# KiCad board MiniCamel_V1.01.kicad_pcb (continued)
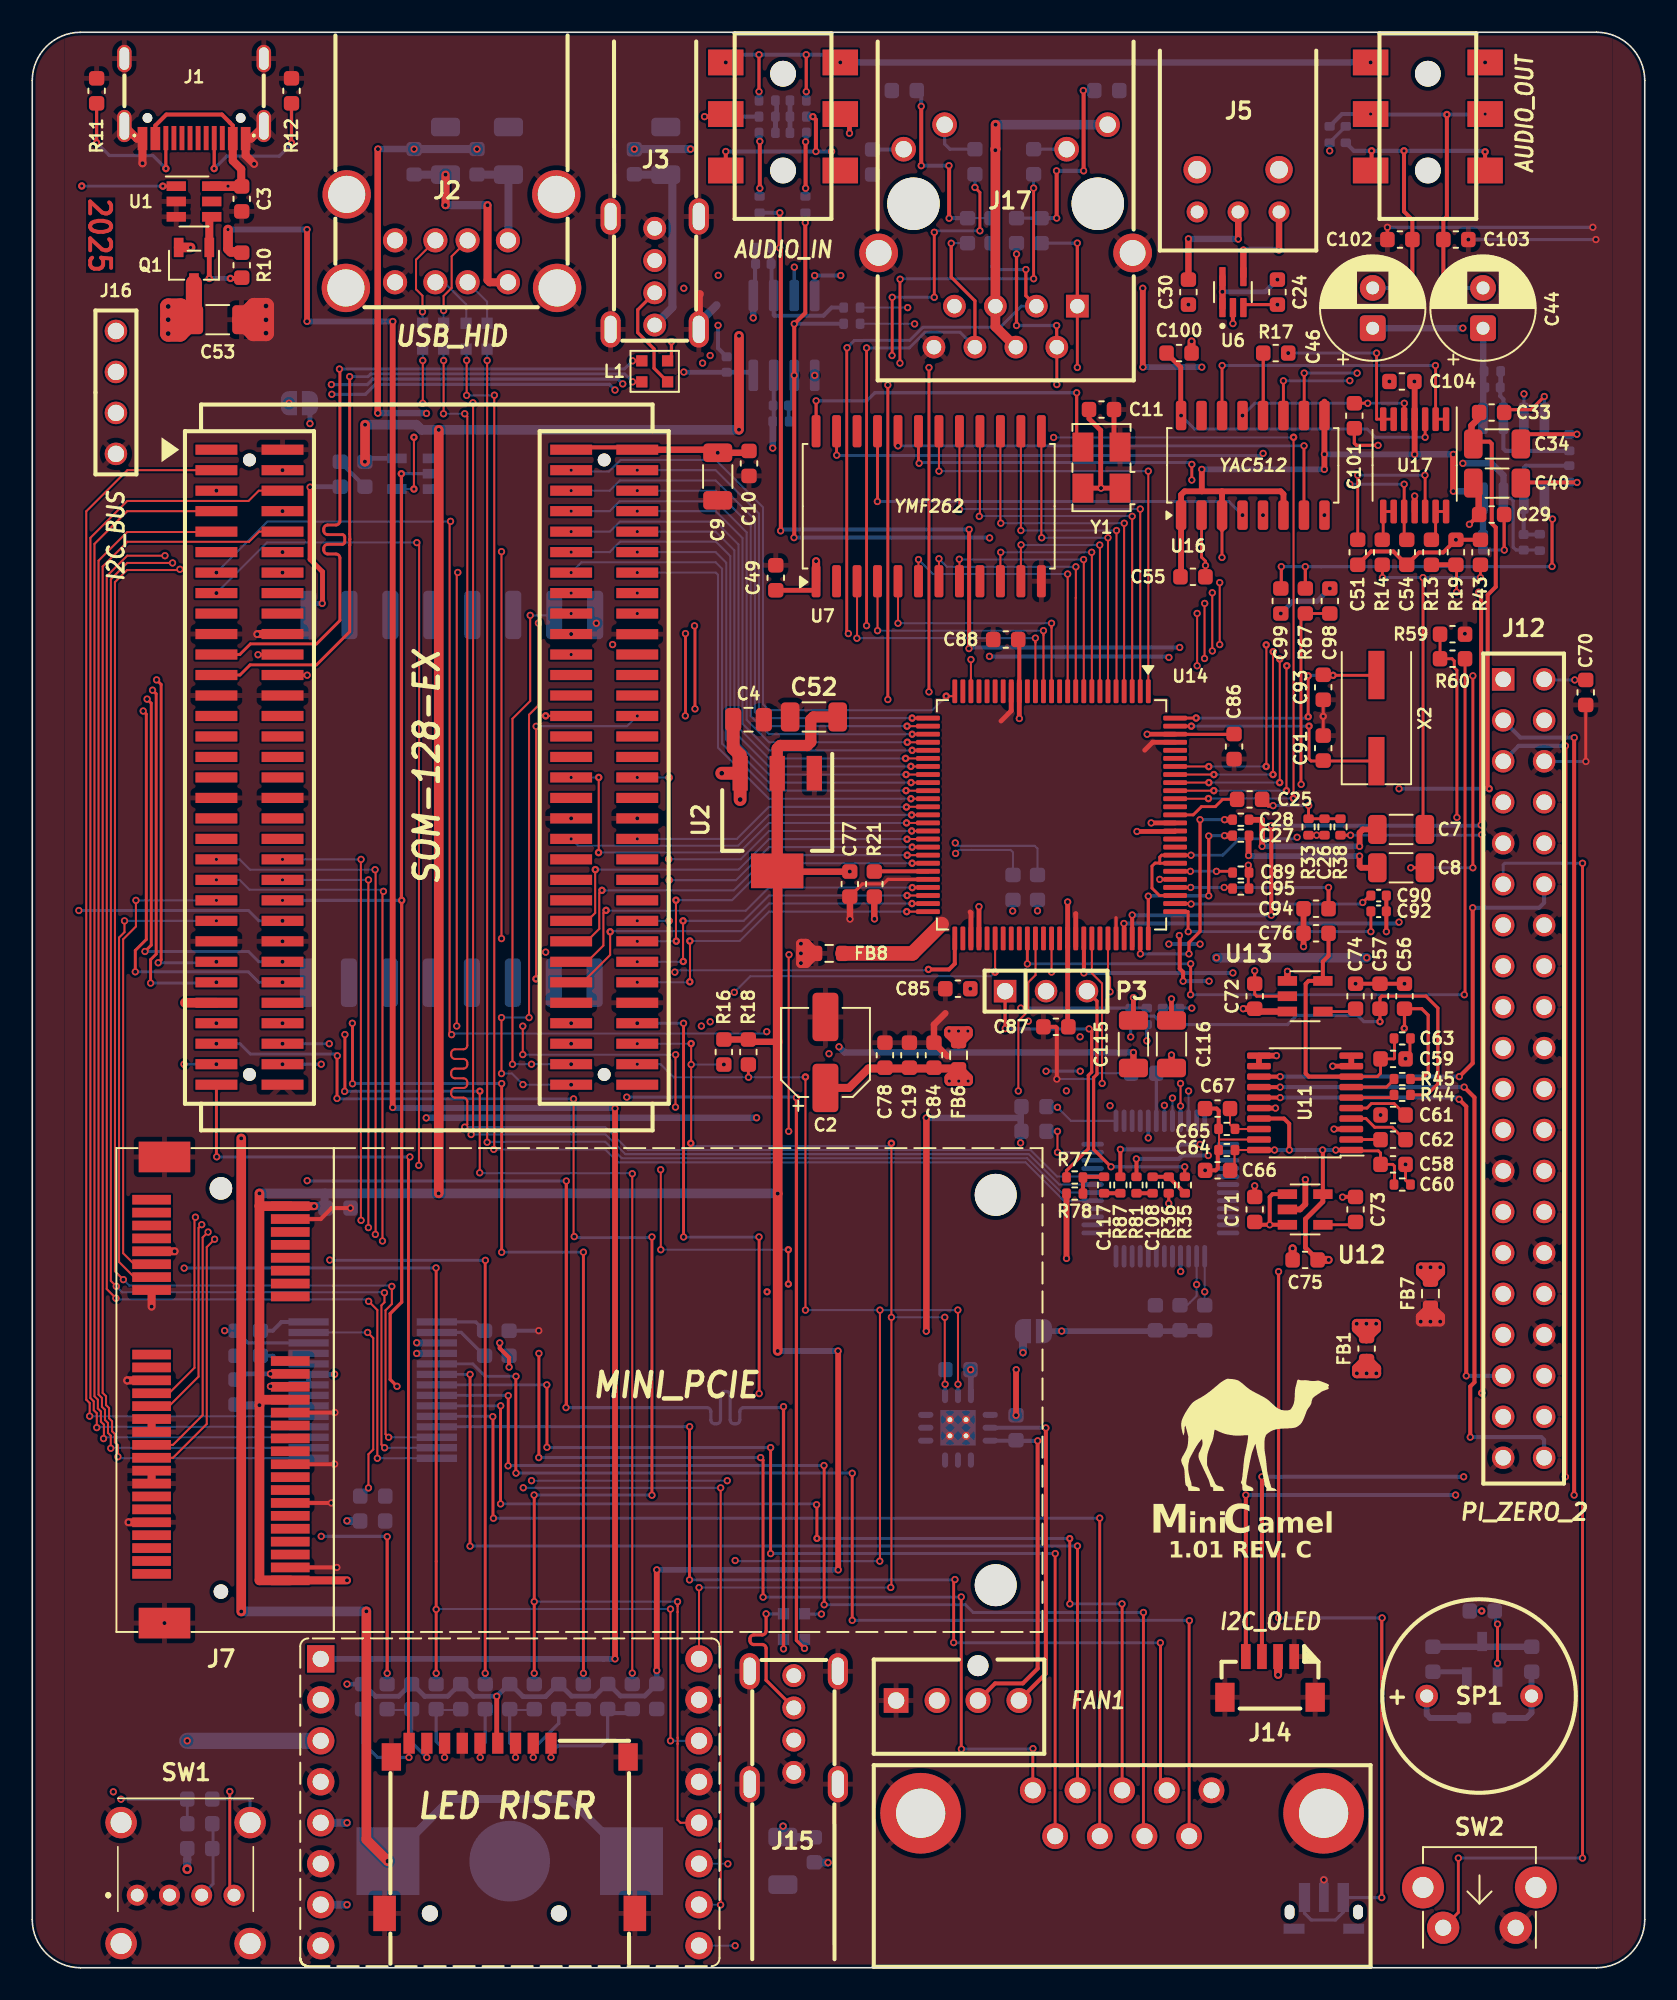
[diagram p0: board, top side]
## Routing (per net, layer and track width the routed paths; a pad name or vN(x,y) marks a point on that pad's centre or on a via; arc(x,y) is an arc through that point) (continued)
  Bottom w0.127: v1(5.72,64.91) v2(11.42,64.91)
/PE0_CLK-: length 29.2
  Top w0.127: v1(6.43,66.18) 6.43,64.56 5.64,63.77 5.64,44.3 6.32,43.62 J7.11
  Bottom w0.127: v1(6.43,66.18) v2(11.42,66.18)
/PE0_RX+: length 58.8
  Top w0.127: v1(21.78,66.74) 21.72,66.68 v1(21.72,45.06) ; v1(11.31,45.17) 10.82,44.68 10.82,33.71 8.73,31.62 J7.33
  In1.Cu w0.127: v1(21.72,45.06) 21.66,45 11.48,45 v1(11.31,45.17)
  Bottom w0.127: v2(11.42,67.45) 12.86,67.45 13.47,66.84 21.68,66.84 v1(21.78,66.74)
/PE0_RX-: length 58.6
  Top w0.127: v1(21.28,45.47) 21.29,45.48 21.29,68.05 v1(21.26,68.08) ; v1(10.9,45.61) 10.57,45.28 10.57,34.26 8.73,32.42 J7.31
  In1.Cu w0.127: v1(21.28,45.47) 21.24,45.43 11.67,45.43 11.49,45.61 v1(10.9,45.61)
  Bottom w0.127: v1(21.26,68.08) 13.5,68.08 12.86,68.72 v2(11.42,68.72)
/PE0_TX+: length 50.5
  Top w0.127: J7.25 8.48,34.82 10.31,36.65 10.31,45.88 v1(10.51,46.07) ; v1(20.84,45.89) 20.84,67.44 v1(20.85,67.45)
  In1.Cu w0.127: 10.52,46.06 11.08,46.06 11.25,45.89 v1(20.84,45.89)
  Bottom w0.127: v1(20.85,67.45) v2(15.52,67.45)
/PE0_TX-: length 50.3
  Top w0.127: v1(20.39,46.34) 20.38,46.35 20.38,68.71 v1(20.39,68.72) ; v1(10.12,46.53) 10.06,46.47 10.06,37.2 8.48,35.62 J7.23
  In1.Cu w0.127: v1(20.39,46.34) 20.36,46.37 10.84,46.37 10.69,46.52 10.14,46.52
  Bottom w0.127: v1(20.39,68.72) v2(15.52,68.72)
/PI_SCL: length 79.5
  Top w0.25: v1(95.08,75.76) v1(95.08,30.44) ; v1(76.26,30.44) J14.3
  In1.Cu w0.25: v1(88.77,30.44) v1(95.08,30.44)
  Bottom w0.25: v1(95.08,75.76) 92.18,75.76 J12.5 ; v1(76.26,30.44) 88.69,30.44 88.69,30.44
/PI_SDA: length 82.2
  Top w0.25: v1(95.62,29.31) 95.62,76.26 v1(95.63,76.27) ; v1(75.26,29.31) J14.4
  In1.Cu w0.25: v1(95.62,29.31) v1(88.27,29.31)
  Bottom w0.25: v1(95.63,76.27) 92.29,76.27 J12.3 ; v1(88.27,29.31) v1(75.26,29.31)
/PWM1: length 21
  Top w0.25: v1(62.86,33.47) 62.86,18.24 P2.4
  Bottom w0.25: U3.5 62.85,33.48 v1(62.86,33.47)
/PWR_SW: length 121.5
  Top w0.18: v1(12.25,10.93) 12.25,4.76 SW1.4 ; U1.1 v2(8.1,110.46)
  In1.Cu w0.18: v1(12.25,10.93) 12.23,10.91 5.7,10.91 5.69,10.92 5.31,10.92 5.3,10.91 v1(5.03,10.91)
  In2.Cu w0.18: v1(5.03,10.91) 5.03,11.49 5.19,11.65 5.19,13.12 4.55,13.76 3.5,13.76 2.21,15.05 2.21,65.3 2.21,65.3 2.21,109.61 v2(3.07,110.47)
  Bottom w0.18: v2(8.1,110.46) 3.08,110.46 v2(3.07,110.47)
/RI1: length 81.6
  Top w0.127: v1(4,33.49) 4,33.49 4,34.38 3.81,34.57 3.81,35.12 3.6,35.32 3.6,88.65 5.89,90.94 13.41,90.94 14.05,91.58 P1.A6
  Bottom w0.127: v1(4,33.49) 4.05,33.54 U5.18
/RS_CTS1: length 70.9
  Top w0.18: v1(49.11,22.51) 49.11,31.13 v1(49.1,31.14) ; J8.8 68.91,8.22 v1(68.91,22.03) ; v1(29.52,35.47) 29.52,31.13 v1(29.51,31.12)
  Bottom w0.18: U5.8 29.5,35.49 v1(29.52,35.47) ; v1(49.11,22.51) 57.87,22.51 58.35,22.03 v1(68.91,22.03) ; v1(29.51,31.12) 29.53,31.14 v1(49.1,31.14)
/RS_DCD1: length 66.5
  Top w0.18: v1(31.41,31.63) 31.42,31.64 v1(31.42,38.09) ; v1(57.62,13.56) 57.61,13.57 v1(57.61,22.99) ; v1(45.32,22.98) 45.32,31.48 v1(45.17,31.63) ; J8.1 62.05,13.58 v1(62.06,13.59)
  In1.Cu w0.18: v1(31.42,38.09) v1(23.84,38.09)
  Bottom w0.18: v1(62.06,13.59) 62.03,13.56 v1(57.62,13.56) ; v1(45.32,22.98) 57.6,22.98 v1(57.61,22.99) ; v1(45.17,31.63) v1(31.41,31.63)
  Bottom w0.36: v1(23.84,38.09) U5.4
/RS_DSR1: length 66.3
  Top w0.18: v1(31.92,32.27) 31.92,36.13 v1(31.91,36.14) ; v1(63.44,25.68) 63.44,25.67 J8.6 ; v1(45.79,25.68) v1(45.79,32.25)
  Bottom w0.18: v1(31.92,32.27) 31.94,32.25 v1(45.79,32.25) ; v1(45.79,25.68) v1(63.44,25.68) ; v1(31.91,36.14) U5.7
/RS_DTR1: length 67.7
  Top w0.18: v1(57.14,20.16) 57.14,23.99 v1(57.22,24.07) ; J8.4 69.97,11.39 69.97,20.14 v1(69.96,20.15) ; v1(40.76,24.05) 40.76,33.54 v1(40.77,33.55)
  Bottom w0.18: v1(40.77,33.55) 25.1,33.55 U5.11 ; v1(69.96,20.15) 57.15,20.15 v1(57.14,20.16) ; v1(57.22,24.07) 57.2,24.05 v1(40.76,24.05)
/RS_RI1: length 75.5
  Top w0.18: v1(30,36.67) 29.99,36.66 29.99,30.68 v1(30,30.67) ; 71.75,8.16 71.75,21.51 v1(71.76,21.52) ; v1(50.85,21.54) v1(50.85,30.66)
  Bottom w0.18: v1(50.85,21.54) 71.74,21.54 v1(71.76,21.52) ; U5.5 27.32,37.44 28.09,36.67 v1(30,36.67) ; v1(50.85,30.66) 50.84,30.67 v1(30,30.67)
/RS_RTS1: length 67.1
  Top w0.18: v1(28.6,27.87) 28.57,27.9 28.57,34.16 v1(28.56,34.17) ; J8.7 66.2,8.16 v1(66.2,27.88)
  Bottom w0.18: v1(28.6,27.87) 66.19,27.87 v1(66.2,27.88) ; U5.10 28.54,34.19 v1(28.56,34.17)
/RS_RX1: length 65.5
  Top w0.18: v1(27.15,26.14) v1(27.15,36.79) ; v1(64.82,26.15) J8.2
  Bottom w0.18: v1(64.82,26.15) 27.16,26.15 v1(27.15,26.14) ; v1(27.15,36.79) U5.6
/RS_TX1: length 66.3
  Top w0.18: v1(64.35,22.56) 64.34,22.57 v3(64.34,26.61) ; v1(29.05,34.84) 29.04,34.83 v1(29.04,28.76) ; v1(48.64,28.71) 48.66,28.69 v3(48.66,26.62) ; v1(67.58,22.56) 67.59,22.55 J8.3
  Bottom w0.18: v1(29.04,28.76) 48.63,28.76 48.64,28.75 v1(48.64,28.71) ; v1(64.35,22.56) v1(67.58,22.56) ; v1(29.05,34.84) U5.9 ; v3(48.66,26.62) 64.33,26.62 v3(64.34,26.61)
/RST_SW: length 4.7
  Bottom w0.18: SW1.3 11.22,5.2 11.22,8.93
/RSTDRV: length 88.5
  Top w0.127: v2(72.94,72.49) 72.93,72.48 U14.90 ; v2(23.67,94.89) v2(23.67,91.68) ; v2(78.21,72.5) 78.22,72.51 v2(78.22,94.89)
  In1.Cu w0.127: v2(23.67,94.89) 23.68,94.88 v1(63.34,94.88)
  Bottom w0.127: U8.4 v2(23.67,91.68) ; v2(72.94,72.49) 72.95,72.5 v2(78.21,72.5) ; 78.21,94.88 v1(63.34,94.88)
/RTS1: length 84.7
  Top w0.127: v1(21.85,32.24) 21.65,32.43 21.65,41.07 21.84,41.26 v1(21.84,41.85) ; v1(8.7,87.1) 5.89,87.1 4.87,86.08 4.87,42.58 v1(5.21,42.25)
  In2.Cu w0.127: v1(8.7,87.1) 8.7,90.71 9.57,91.58 v1(11.42,91.58)
  Bottom w0.127: v1(21.84,41.85) 21.81,41.88 5.58,41.88 v1(5.21,42.25) ; U5.13 v1(21.85,32.24)
/RX1: length 76.9
  Top w0.127: v1(4.42,32.81) 4.44,32.83 4.44,33.67 4.26,33.86 4.26,34.49 4.07,34.68 4.07,35.22 3.86,35.43 3.86,88.28 5.89,90.31 P1.A7
  Bottom w0.127: U5.17 4.5,32.89 v1(4.42,32.81)
/RX2: length 102.6
  Top w0.127: v1(42.69,29.75) 42.69,3.9 v1(42.69,3.9) ; v1(31.39,83.37) 31.39,78.27 30.81,77.69 30.81,77.16 30.81,77.15 30.81,76.78 30.81,76.78 v1(30.81,58.91) ; v1(29.1,58.91) v1(29.1,55.44)
  In1.Cu w0.127: v1(34.98,83.36) 31.4,83.36 v1(31.39,83.37)
  In2.Cu w0.127: v1(30.43,54.76) 30.45,54.74 v1(30.45,29.76)
  Bottom w0.127: v1(30.45,29.76) 30.46,29.75 v1(42.69,29.75) ; v1(34.98,83.36) 34.91,83.43 ; v1(42.69,3.9) 42.68,3.91 J9.15 ; v1(30.81,58.91) v1(29.1,58.91) ; v1(29.1,55.44) 29.75,55.44 v1(30.43,54.76) 30.44,54.75 v1(33.42,54.75)
/SD_CD: length 59
  Top w0.127: v1(23.36,13.04) 23.36,13.91 J13.9 23.39,13.94
  Top w0.18: 23.39,13.94 23.33,14 23.33,50.18 v1(23.42,50.27) ; v1(11.44,50.28) 11.42,50.3 P1.A63
  Bottom w0.18: v1(11.44,50.28) 11.45,50.27 v1(23.42,50.27)
  Bottom w0.2: v1(23.36,13.04) 21.41,13.04 20.49,13.96 20.49,15.97 20.48,15.98
/SD_CLK: length 52.2
  Top w0.127: 28.09,43.85 v1(28.1,43.86)
  Top w0.18: v1(28.09,18.26) 28.09,43.85
  In2.Cu w0.18: v1(18.45,43.88) 18.42,43.91 v1(18.42,57.29)
  Bottom w0.18: v1(18.42,57.29) v1(15.52,57.29) ; 28.09,17.63 v1(28.09,18.26) ; v1(18.45,43.88) 18.47,43.86 v1(28.1,43.86)
/SD_CMD: length 97.4
  Top w0.127: 31.13,29.3 v1(31.12,29.31) ; v1(33.61,45.33) 33.57,45.37 v1(33.57,53.87) ; v1(40.02,22.7) 40.02,22.43 40.02,22.42 40.02,22.05 40.02,22.05 40.02,14.26 40.02,14.25 40.02,13.88 40.02,13.88 40.02,9.17 40.2,8.99 J9.13
  Top w0.18: v1(31.13,18.26) v1(31.13,22.7) 31.13,29.3 ; v1(18.9,53.9) 18.9,56.52 v1(18.92,56.54) ; v1(38.43,45.31) v1(38.43,29.3)
  Bottom w0.127: v1(40.02,22.7) v1(31.13,22.7) ; 38.42,29.31 v1(38.43,29.3)
  Bottom w0.18: v1(11.42,57.29) 12.89,57.29 13.53,56.65 18.81,56.65 v1(18.92,56.54) ; v1(33.57,53.87) 18.93,53.87 v1(18.9,53.9) ; v1(31.12,29.31) 38.42,29.31 ; v1(33.61,45.33) 33.68,45.27 38.39,45.27 v1(38.43,45.31) ; 31.13,17.63 v1(31.13,18.26)
/SD_DAT0: length 80.5
  Top w0.127: v1(39.58,22.24) v1(39.58,14.07) ; 25.05,43.38 v1(25.04,43.39)
  Top w0.18: v1(25.05,18.26) v1(25.05,22.22) 25.05,43.38
  In2.Cu w0.18: v1(9.42,43.38) 9.41,43.39 v1(9.41,56.02)
  Bottom w0.127: J9.11 39.83,14.07 v1(39.58,14.07) ; v1(39.58,22.24) 25.07,22.24 v1(25.05,22.22)
  Bottom w0.18: 25.05,17.63 v1(25.05,18.26) ; v1(11.42,56.02) v1(9.41,56.02) ; v1(9.42,43.38) 9.43,43.39 v1(25.04,43.39)
/SD_DAT1: length 44.9
  Top w0.2: v1(22.01,18.26) v1(22.01,26.73)
  In2.Cu w0.2: v1(17.92,56.02) 17.96,55.98 17.96,26.79 v1(17.92,26.75)
  Bottom w0.2: 22.01,17.63 v1(22.01,18.26) ; v1(17.92,26.75) 21.99,26.75 v1(22.01,26.73) ; v1(17.92,56.02) v1(15.52,56.02)
/SD_DAT2: length 66.3
  Top w0.127: v3(27.76,54.35) 27.75,54.34 v1(27.75,49.29) ; v1(37.21,49.23) v1(37.21,18.27)
  Top w0.18: v1(19.39,57.86) 19.39,54.36
  In1.Cu w0.18: v1(11.42,58.56) 12.89,58.56 13.58,57.87 19.38,57.87
  Bottom w0.127: 37.21,17.64 37.21,18.27 v1(37.21,18.27) ; v1(37.21,49.23) 37.18,49.26 27.78,49.26 v1(27.75,49.29)
  Bottom w0.18: v3(27.76,54.35) 27.75,54.34 v1(19.37,54.34)
/SD_DAT3: length 59.6
  Top w0.18: v1(29.11,54.82) v1(29.11,44.36) ; v1(19.85,58.56) 19.86,58.55 v1(19.86,54.81) ; v1(34.18,18.26) v1(34.18,44.37)
  In1.Cu w0.18: v1(19.85,58.56) v1(15.52,58.56)
  Bottom w0.127: 34.17,17.63 34.17,18.25 v1(34.18,18.26) ; 29.13,44.37 29.12,44.36 v1(29.11,44.36)
  Bottom w0.18: v1(19.86,54.81) 19.87,54.82 v1(29.11,54.82) ; 29.13,44.37 v1(34.18,44.37)
/SPDIF_OUT: length 52
  Top w0.25: 65.21,63.32 65.22,63.31 v1(65.22,61.68) ; 74.46,102.79 v1(74.46,101.94)
  In2.Cu w0.25: v1(74.46,61.68) v1(74.46,101.94)
  Bottom w0.25: v1(74.46,61.68) v1(65.22,61.68)
/SPKR: length 133.3
  Top w0.18: v1(45.08,35.6) 45.08,45.3 v1(45.07,45.31) ; R38.1 v1(81.75,70.22) ; v2(89.89,35.63) v1(89.89,70.25) ; v1(40.39,45.31) v1(40.39,58.56)
  In1.Cu w0.18: v1(45.08,35.6) 89.86,35.6 v2(89.89,35.63)
  In2.Cu w0.18: v2(89.89,35.63) 89.89,22.12 v2(89.89,22.12)
  Bottom w0.18: v1(40.39,45.31) 40.4,45.3 45.06,45.3 v1(45.07,45.31) ; v2(89.89,22.12) 89.16,22.12 89.15,22.12 ; 81.44,70.22 89.86,70.22 v1(89.89,70.25) ; v1(40.39,58.56) v1(37.52,58.56)
/SYNTH_SW: length 80.2
  Top w0.18: v1(88.44,6.8) 88.44,3.43 87.5,2.49 ; v1(96.14,6.8) v1(96.14,68.48)
  Bottom w0.18: v1(96.14,6.8) v1(88.44,6.8) ; v1(96.14,68.48) 91.32,68.48 91.22,68.38 J12.11
/TACH1: length 21.6
  Top w0.25: P2.3 59.71,17.63 61.43,17.63 62.35,18.55 v1(62.35,32.67)
  Bottom w0.25: U3.6 60.99,32.68 61.01,32.7 61.05,32.67 v1(62.35,32.67)
/TX1: length 90.3
  Top w0.127: v1(8.23,87.55) 5.89,87.55 4.62,86.28 4.62,42.08 v1(5.19,41.51) ; v1(20.86,41.32) 21.4,40.78 v1(21.4,31.59)
  In2.Cu w0.127: v1(8.23,87.55) 8.23,90.41 8.25,90.43 8.25,91.45 9.57,92.77 15.44,92.77 v1(15.52,92.85)
  Bottom w0.127: v1(20.86,41.32) 20.74,41.44 5.26,41.44 v1(5.19,41.51) ; U5.14 v1(21.4,31.59)
/TX2: length 96.9
  Top w0.127: v1(30.88,83.85) 30.88,78.54 29.78,77.44 v1(29.78,56.02)
  In2.Cu w0.127: v1(30.96,30.2) 30.96,30.2 30.96,56.02 v1(30.96,56.02) ; 43.14,30.16 v1(43.14,6.44)
  Bottom w0.127: J9.14 43.13,6.45 v1(43.14,6.44) ; v1(33.42,56.02) v1(30.96,56.02) v1(29.78,56.02) ; v1(30.88,83.85) 32.34,83.85 32.37,83.87 ; v1(43.1,30.2) v1(30.96,30.2)
/USBD1+: length 43.6
  Top w0.127: v1(37.23,98.33) 37.23,98.33 L1.2
  Top w0.18: P1.A23 12.88,80.15 13.51,80.78 17.63,80.78 19.69,82.83 19.69,88.2 19.69,88.21 19.69,88.54 19.69,88.54 19.69,88.57 19.7,88.58 19.69,88.9 v1(19.69,98.65)
  Bottom w0.18: v1(37.23,98.33) 36.74,98.82 20.99,98.82 20.82,98.65 v1(19.69,98.65)
/USBD1-: length 47
  Top w0.127: L1.3 37.23,99.63 v1(37.23,99.63)
  Top w0.18: v1(19.05,99.12) 19.08,99.09 19.08,89.69 arc(19.01,89.52) 18.84,89.45 18.32,89.45 arc(18.15,89.38) 18.08,89.21 18.08,89.09 arc(18.15,88.92) 18.32,88.85 19.23,88.85 arc(19.34,88.81) 19.38,88.7 19.38,88.4 arc(19.34,88.3) 19.23,88.25 18.32,88.25 arc(18.15,88.18) 18.08,88.01 18.08,87.89 arc(18.15,87.72) 18.32,87.65 18.84,87.65 arc(19.01,87.58) 19.08,87.41 19.08,83.53 17.63,82.08 13.53,82.08 12.87,81.42 P1.A21
  Bottom w0.18: v1(37.23,99.63) 36.73,99.13 19.05,99.13 19.05,99.12 v1(19.05,99.12)
/USBD2+: length 97.3
  Top w0.2: v1(46.59,19.77) v1(46.59,34.79) ; v1(17.05,80.14) 15.53,80.14 P1.A24 ; v1(33.1,34.73) 33.12,34.75 v1(33.12,48.78)
  In2.Cu w0.2: v1(17.05,48.8) v1(17.05,80.14)
  Bottom w0.2: v1(33.12,48.78) 17.07,48.78 v1(17.05,48.8) ; v1(33.1,34.73) 33.1,34.73 41.84,34.73 arc(42.01,34.66) 42.08,34.49 42.08,33.97 arc(42.15,33.8) 42.32,33.73 42.44,33.73 arc(42.61,33.8) 42.68,33.97 42.68,35.49 arc(42.75,35.66) 42.92,35.73 43.04,35.73 arc(43.21,35.66) 43.28,35.49 43.28,33.97 arc(43.35,33.8) 43.52,33.73 43.64,33.73 arc(43.81,33.8) 43.88,33.97 43.88,34.49 arc(43.95,34.66) 44.12,34.73 46.55,34.73 46.56,34.74 46.56,34.76 v1(46.59,34.79) ; v1(46.59,19.77) L2.2
/USBD2-: length 97.6
  Top w0.2: P1.A22 15.51,81.41 v1(14,81.41) ; v1(47.39,53.95) 47.39,20.3 v1(47.89,19.8)
  In1.Cu w0.2: v1(14,81.41) 29.66,81.41 30.29,82.04 v1(35.99,82.04)
  In2.Cu w0.2: v1(36.87,53.98) 36.58,54.27 36.58,57.3 36.38,57.5 36.38,81.64 v1(35.99,82.04)
  Bottom w0.2: v1(47.39,53.95) 47.36,53.98 v1(36.87,53.98) ; v1(47.89,19.8) L2.3
/USBHID1+: length 89.8
  Top w0.127: v1(26.94,97.49) v1(26.94,99.66) ; v1(28.66,97.5) 28.65,97.49 28.65,50.77 v1(28.62,50.74)
  Bottom w0.127: v1(28.66,97.5) 28.65,97.49 v1(26.94,97.49) ; U9.29 63.97,47.56 61.6,49.93 36.33,49.93 35.54,50.73 28.63,50.73 v1(28.62,50.74) ; L3.4 26.94,100.33 v1(26.94,99.66)
/USBHID1-: length 88
  Top w0.127: v1(28.21,51.18) 28.21,51.18 v1(28.21,99.65)
  Bottom w0.127: v1(28.21,99.65) L3.1 ; v1(28.21,51.18) 28.24,51.21 35.54,51.21 36.56,50.19 61.7,50.19 63.83,48.06 U9.30
/USBHID2+: length 91.8
  Top w0.127: v1(24.22,99.65) 24.22,97.01 v1(24.21,97) ; v1(27.22,51.66) 27.34,51.78 27.34,97.02 v1(27.33,97.03)
  Bottom w0.127: v1(24.21,97) 27.3,97 v1(27.33,97.03) ; v1(24.22,99.65) 24.22,100.35 L4.4 ; U9.31 63.69,48.56 61.81,50.44 36.78,50.44 35.55,51.67 27.22,51.67 v1(27.22,51.66)
/USBHID2-: length 94.7
  Top w0.127: v1(25.5,96.35) 25.51,96.36 v1(25.51,99.65) ; v1(26.82,96.35) 26.98,96.19 26.98,57.19 arc(26.91,57.02) 26.74,56.95 26.22,56.95 arc(26.05,56.88) 25.98,56.71 25.98,56.59 arc(26.05,56.42) 26.22,56.35 26.74,56.35 arc(26.91,56.28) 26.98,56.11 26.98,55.99 arc(26.91,55.82) 26.74,55.75 26.22,55.75 arc(26.05,55.68) 25.98,55.51 25.98,55.39 arc(26.05,55.22) 26.22,55.15 26.74,55.15 arc(26.91,55.08) 26.98,54.91 26.98,54.79 arc(26.91,54.62) 26.74,54.55 26.22,54.55 arc(26.05,54.48) 25.98,54.31 25.98,54.19 arc(26.05,54.02) 26.22,53.95 26.74,53.95 arc(26.91,53.88) 26.98,53.71 26.98,52.28 v1(26.82,52.12)
  Bottom w0.127: v1(25.5,96.35) v1(26.82,96.35) ; U9.32 63.55,49.06 61.91,50.7 36.96,50.7 35.54,52.12 v1(26.82,52.12) ; v1(25.51,99.65) L4.1
/USBHIDX1+: length 3.6
  Bottom w0.127: J2.3 25.54,104.5 26.91,103.13 L3.3
/USBHIDX1-: length 3
  Bottom w0.127: L3.2 28.21,103.29 J2.2
/USBHIDX2+: length 5.8
  Top w0.127: J2.7 23.8,105.9 23.8,104.06 24.2,103.66 v1(24.2,102.67)
  Bottom w0.127: v1(24.2,102.67) 24.21,102.66 L4.3
/USBHIDX2-: length 5.8
  Top w0.127: v1(25.51,102.75) 25.51,103.65 26.01,104.15 26.01,106.11 J2.6
  Bottom w0.127: L4.2 v1(25.51,102.75)
/WT_AUDIO_L: length 17.5
  Top w0.2: R77.1 64.14,49.42 65.49,50.77 65.49,55.32 65.7,55.53 65.7,58.05 v1(65.54,58.21) ; P3.1 60.33,58.24 v1(60.34,58.23)
  Bottom w0.2: v1(65.54,58.21) 60.36,58.21 v1(60.34,58.23)
/WT_AUDIO_R: length 16.9
  Top w0.2: v1(71.47,49.66) 71.47,49.05 R35.1 ; v1(66.9,49.66) 65.82,50.74 65.82,55.19 66.03,55.4 66.03,59.93 P3.3
  Bottom w0.2: v1(71.47,49.66) v1(66.9,49.66)
/X_SD_CLK: length 4
  Top w0.2: J13.5 27.78,13.91 v1(27.78,13.04)
  Bottom w0.2: 28.09,15.98 28.09,13.98 27.78,13.67 v1(27.78,13.04)
/X_SD_CMD: length 5.5
  Top w0.2: v1(29.97,13.04) J13.3
  Bottom w0.127: 29.61,15.98 31.13,15.98
  Bottom w0.2: 29.61,15.98 29.61,13.94 29.97,13.58 v1(29.97,13.04)
/X_SD_DAT0: length 5.6
  Top w0.2: v1(25.57,13.04) J13.7
  Bottom w0.127: 25.05,15.98 26.57,15.98
  Bottom w0.2: 25.05,15.98 25.05,14.03 25.57,13.51 v1(25.57,13.04)
/X_SD_DAT1: length 5.7
  Top w0.2: v1(24.47,13.04) J13.8
  Bottom w0.127: 22.01,15.98 23.53,15.98
  Bottom w0.2: v1(24.47,13.04) 23.53,13.98 23.53,15.98
/X_SD_DAT2: length 8.4
  Top w0.2: v1(32.17,13.04) J13.1
  Bottom w0.2: 35.69,15.99 35.69,14.17 35.28,13.76 32.6,13.76 32.17,13.33 v1(32.17,13.04)
  Bottom w0.25: 37.49,15.79 35.97,15.79 35.97,15.78
/X_SD_DAT3: length 6
  Top w0.2: v1(31.07,13.04) J13.2
  Bottom w0.127: 32.65,15.98 34.17,15.98
  Bottom w0.2: 32.65,15.98 32.65,15.15 31.07,13.57 v1(31.07,13.04)
/YAC_CH1: length 23.6
  Top w0.18: v1(86.37,92.54) 86.38,92.53 U17.12 ; v1(82.2,92.54) C51.1 ; v1(78.88,98.87) 78.88,96.25 U16.10 78.86,97.1
  In2.Cu w0.18: v1(82.16,98.87) 82.2,98.83 v1(82.2,92.54)
  Bottom w0.18: v1(82.2,92.54) v1(86.37,92.54) ; v1(82.16,98.87) v1(78.88,98.87)
/YAC_CH2: length 20.4
  Top w0.18: v1(77.59,98.39) 77.59,96.24 U16.11 77.59,97.1 ; v1(85.08,91.98) U17.10 85.08,88.69 C54.1
  In2.Cu w0.18: v1(81.71,98.4) v1(81.71,91.98)
  Bottom w0.18: v1(77.59,98.39) 81.7,98.39 v1(81.71,98.4) ; v1(85.08,91.98) v1(81.71,91.98)
/YAC_CLK: length 31.8
  Top w0.18: U7.23 49.88,93.79 v1(49.89,93.78)
  In2.Cu w0.18: v1(76.33,93.89) 76.32,93.88 76.32,90.07 v1(76.33,90.06)
  Bottom w0.18: v1(49.89,93.78) 50.04,93.78 50.06,93.76 76.19,93.76 76.32,93.89 v1(76.33,93.89)
/YFM_CLK: length 21.8
  Top w0.2: v1(48.61,97.15) U7.24 ; Y1.3 64.77,94.67 v1(64.77,97.65)
  Bottom w0.2: v1(64.77,97.65) 52.25,97.65 51.75,97.15 v1(48.61,97.15)
/~{BRESET}: length 17.4
  Top w0.127: U7.3 51.15,82.44 v1(51.14,82.43) ; v1(62.21,82.44) 62.21,82.18 62.21,82.18 62.21,79.64
  Bottom w0.127: v1(62.21,82.44) 51.34,82.44 51.33,82.43 v1(51.14,82.43)
/~{DACK1}: length 53.1
  Top w0.127: v1(31.25,76.97) 31.25,61.32 v2(31.24,61.31) ; v2(59.71,61.73) 59.71,63.32
  In1.Cu w0.127: v2(31.24,61.31) 35.14,61.31 35.97,60.48 v1(43.54,60.48)
  Bottom w0.127: v2(37.52,77.61) 36.89,76.98 31.26,76.98 v1(31.25,76.97) ; v1(43.54,60.48) 44.53,61.47 59.46,61.47 v2(59.71,61.73)
/~{DUPLEX}: length 82.4
  Top w0.18: v1(53.82,104.69) 53.81,104.68 v1(53.81,99.49) ; v1(62.1,104.72) v1(62.1,110.34)
  In1.Cu w0.18: v1(41.57,99.49) 41.58,99.48 53.8,99.48 v1(53.81,99.49) ; v1(33.42,58.56) 34.89,58.56 35.63,59.3 41.28,59.3 41.5,59.08 v1(41.5,58.39)
  In2.Cu w0.18: 41.57,58.46 v1(41.57,99.49)
  Bottom w0.18: v1(62.1,110.34) R34.1 ; v1(53.82,104.69) 53.85,104.72 v1(62.1,104.72)
/~{FM_CS}: length 16.8
  Top w0.127: 65.21,79.64 65.21,87.3 v1(65.2,87.31) ; U7.8 57.5,87.32 v1(57.49,87.33)
  Bottom w0.127: v1(57.49,87.33) 57.51,87.31 v1(65.2,87.31)
/~{FM_RD}: length 17.3
  Top w0.127: 64.71,79.64 64.71,84.94 64.72,84.94 v1(64.72,86.86) ; v1(56.23,87.36) U7.7
  Bottom w0.127: v1(56.23,87.36) 56.23,87.35 56.72,86.86 v1(64.72,86.86)
/~{FM_WR}: length 17.7
  Top w0.127: 64.21,79.64 64.21,86.41 v1(64.21,86.41) ; v1(54.96,87.31) U7.6
  Bottom w0.127: v1(54.96,87.31) 55.86,86.41 v1(64.21,86.41)
/~{IOR}: length 18.9
  Top w0.127: U14.37 54.23,71.98 v2(54.21,71.96)
  Bottom w0.127: v2(37.52,69.99) 43.7,69.99 45.69,71.98 54.2,71.98 v2(54.21,71.96)
/~{IOW}: length 23.1
  Top w0.127: U14.38 54.54,71.48 v2(54.54,71.47)
  Bottom w0.127: v2(33.42,69.99) 33.84,69.57 43.78,69.57 45.69,71.48 54.53,71.48 v2(54.54,71.47)
/~{LINKACT}: length 78.9
  Top w0.18: v1(58.77,107.69) 58.77,110.07 v1(58.46,110.38) ; v1(55.94,107.6) v1(55.94,103.57) ; v1(53.32,99.96) 53.33,99.97 v1(53.33,103.57)
  In1.Cu w0.18: v1(33.42,57.29) 34.89,57.29 35.46,57.86 41.94,57.86 42.04,57.96 v1(42.04,58.65) ; v1(53.32,99.96) v1(42.04,99.96)
  In2.Cu w0.18: v1(42.04,58.65) v1(42.04,99.96)
  Bottom w0.18: v1(55.94,107.6) 56.03,107.69 v1(58.77,107.69) ; v1(58.46,110.38) R31.1 ; v1(53.33,103.57) v1(55.94,103.57)
/~{PCIRST}: length 75.5
  Top w0.2: v1(22.62,36.05) 22.2,36.47 22.2,40.56 22.91,41.27 v2(22.91,66.18) 22.89,66.19 22.89,92.62 v2(22.89,92.63) ; J7.22 15.97,36.05 v1(14.77,36.05)
  In1.Cu w0.2: v1(22.62,36.05) v1(14.77,36.05)
  Bottom w0.2: U8.2 v2(22.89,92.63) ; v2(22.91,66.18) v2(15.52,66.18)
/~{RST_SW}: length 75.6
  In2.Cu w0.18: v1(5.5,10.45) 5.5,13.25 4.68,14.07 3.63,14.07 2.52,15.18 2.52,65.18 v1(2.89,65.55)
  Bottom w0.18: v1(2.89,65.55) 13.41,65.55 14.05,64.91 v1(15.52,64.91) ; v1(5.5,10.45) 9.58,10.45 9.62,10.41 ; 9.64,10.43 C5.1 9.62,8.98
Net-(C7-Pad1): length 23.3
  Top w0.18: R14.1 83.73,86.97 v1(83.73,86.19) ; v1(86.25,86.19) 86.25,70.69 C7.1 ; R43.2 v1(89.81,86.19)
  Bottom w0.18: v1(83.73,86.19) v1(86.25,86.19) v1(89.81,86.19)
Net-(C8-Pad1): length 25.5
  Top w0.18: v1(85.49,68.2) C8.1 ; R19.2 88.33,86.94 v1(88.33,85.29) ; v1(89.34,68.2) v1(89.34,80.1)
  Top w0.3: R13.1 R19.2
  In2.Cu w0.18: v1(89.34,80.1) 89.34,84.21 88.33,85.22 v1(88.33,85.29)
  Bottom w0.18: v1(89.34,68.2) v1(85.49,68.2)
Net-(C25-Pad2): length 5.9
  Top w0.18: v1(79.16,72.06) 79.15,72.05 R33.1 R38.2
  Top w0.25: C25.2 76.66,72.05 v1(76.95,72.05)
  Bottom w0.18: v1(76.95,72.05) 79.15,72.05 v1(79.16,72.06)
Net-(C31-Pad1): length 11.9
  Bottom w0.5: 37.34,111.18 37.35,111.17 C31.1 39.7,110.76 39.7,102.94 J3.1
Net-(C34-Pad2): length 4.6
  Top w0.25: C34.2 92.32,95.08 v1(95.79,95.08)
  Bottom w0.25: v1(95.79,95.08) 95.33,95.08 R61.2
Net-(C35-Pad1): length 12.8
  In2.Cu w0.5: v1(46.56,8.78) 46.56,11.1 45.83,11.83 45.83,16.71 J15.1
  Bottom w0.127: 46.56,8.1 46.55,8.1
  Bottom w0.5: 46.55,8.1 46.56,8.11 v1(46.56,8.78) ; 48.5,8.1 46.56,8.1
Net-(C40-Pad2): length 3.9
  Top w0.25: v1(95.8,92.09) 92.36,92.09
  Bottom w0.25: v1(95.8,92.09) 95.34,92.09
  Bottom w0.4: 95.34,92.09 R62.2
Net-(C42-Pad2): length 5.5
  Bottom w0.4: C44.1 89.98,101.64 89.98,96.12
Net-(C43-Pad2): length 23.5
  In2.Cu w0.4: v1(88.72,93.27) v1(88.72,101.66)
  Bottom w0.2: 93.45,87.9 C43.2 92.02,87.9 91.84,88.08 91.84,90.96 91.68,91.11 U15.7
  Bottom w0.4: 93.45,87.9 R64.1 ; U15.7 91.23,92.53 90.49,93.27 v1(88.72,93.27) ; C46.1 88.71,101.65 v1(88.72,101.66)
Net-(C45-Pad1): length 12.4
  Top w0.25: v1(56.85,111.73) 56.86,111.72 v1(56.86,108.47) ; v1(55.13,115.41) v1(55.13,111.73)
  Bottom w0.127: R22.1 R23.1
  Bottom w0.25: v1(56.86,108.47) 56.86,108.47 R22.1 ; v1(55.13,111.73) v1(56.85,111.73) ; C45.1 55.13,116.11 v1(55.13,115.41)
Net-(C47-Pad1): length 12.8
  Top w0.25: v1(65.18,116.39) 65.2,116.37 v1(65.2,111.41) ; v1(63.52,111.41) 63.53,111.4 v1(63.53,108.48)
  Bottom w0.2: R28.1 R29.1
  Bottom w0.25: v1(63.52,111.41) v1(65.2,111.41) ; v1(65.18,116.39) C47.1 ; R29.1 63.53,108.47 v1(63.53,108.48)
Net-(C102-Pad1): length 22.4
  Top w0.25: v2(85.57,104.15) 85.59,104.17 85.59,108.37 85.07,108.89 v2(85.07,112.65) ; J6.T 83.06,111.49 v2(83.06,112.65) ; v2(90.1,112.59) J6.T
  Bottom w0.25: v2(90.1,112.59) 90.04,112.65 v2(85.07,112.65) v2(83.06,112.65) 81.96,112.65 R66.1 ; C46.2 v2(85.57,104.15)
Net-(C103-Pad1): length 23.3
  Top w0.25: v2(87.51,104.16) 87.51,108.35 87.73,108.57 87.73,114.9 v2(87.73,114.9)
  Bottom w0.25: v2(90.1,114.93) 90.07,114.9 v2(87.73,114.9) 83.03,114.9 v2(83,114.93) 81.22,114.93 R65.1 ; C44.2 87.52,104.15
Net-(C106-Pad1): length 14.7
  In2.Cu w0.2: v1(60.8,65.52) 60.8,61.93 61.28,61.45 61.28,59.52 v1(61.3,59.5)
  Bottom w0.2: v1(61.3,59.5) R25.2 R24.2 ; v1(60.8,65.52) 60.8,66.18 60.82,66.2
Net-(C106-Pad2): length 43.7
  In2.Cu w0.127: v1(54.29,102.93) 54.26,102.9 54.26,87.02 54.27,87.02 54.27,78.8 55.11,77.96 55.11,70.29 56.08,69.31 57.03,69.31 v1(57.26,69.09)
  Bottom w0.127: v1(57.26,69.09) 57.48,69.3 60.67,69.3 60.82,69.16 C106.2 ; v1(54.29,102.93) R79.1
Net-(C107-Pad1): length 2
  Bottom w0.3: 46.08,113.78 46.09,113.79 R26.2 46.16,114.84 46.16,115.77
Net-(C107-Pad2): length 3.9
  Top w0.25: 45.12,110.39 v1(45.12,113.24)
  Bottom w0.25: R80.1 45.11,110.38 ; v1(45.12,113.24) 45.07,113.29 45.07,113.73
  vias: v1(45.12,110.33)
Net-(C108-Pad1): length 2.4
  Top w0.25: C108.1 70.46,49.04 R35.2
Net-(C108-Pad2): length 1
  Top w0.25: 68.5,48.02 69.51,48.02
Net-(C110-Pad1): length 20
  In1.Cu w0.2: v1(61.77,58.69) 71.1,58.69 v1(71.91,59.5)
  In2.Cu w0.2: v1(61.77,58.69) 61.78,58.7 61.78,61.09 62.34,61.65 v1(62.34,65.53)
  Bottom w0.2: v1(71.91,59.5) R73.2 R74.2 ; 62.34,66.2 v1(62.34,65.53)
Net-(C110-Pad2): length 44.5
  In2.Cu w0.127: v1(57.24,69.74) 57.07,69.57 56.19,69.57 55.36,70.4 55.36,78.09 54.52,78.93 54.52,87.12 54.52,87.12 54.52,101.72 v1(54.72,101.92)
  Bottom w0.127: v1(57.24,69.74) 57.42,69.56 62.17,69.56 62.34,69.39 C110.2 ; v1(54.72,101.92) 54.66,101.92 54.65,101.93 R83.1
Net-(C111-Pad1): length 2
  Bottom w0.3: R76.2 R75.2 46.99,113.79 47,113.78
Net-(C111-Pad2): length 3.9
  Top w0.25: v1(47.96,113.21) v1(47.96,110.33)
  Bottom w0.25: 48.01,113.73 48.01,113.26 v1(47.96,113.21) ; v1(47.96,110.33) 47.96,109.81
Net-(C112-Pad1): length 73.6
  Top w0.4: v1(68.29,56.75) C115.1
  In2.Cu w0.4: v1(50.03,57.1) 50.03,92.37 49.47,92.93 46.9,92.93 46.5,93.33 46.5,102.05 46.26,102.29 v1(44.71,102.29)
  Bottom w0.25: U18.1 44.83,103.79 R85.2
  Bottom w0.4: v1(50.03,57.1) 50.38,56.75 v1(68.29,56.75) ; U18.1 44.71,103.67 v1(44.71,102.29)
Net-(C113-Pad2): length 67.4
  Top w0.4: v1(70.65,56.59) C116.1
  In1.Cu w0.4: v1(70.65,56.59) 70.23,56.17 49.91,56.17 v1(49.41,56.67)
  In2.Cu w0.4: v1(45.92,94.22) 45.92,93.16 46.68,92.4 49.19,92.4 49.41,92.18 v1(49.41,56.67)
  Bottom w0.25: R86.2 45.98,95.93 U18.7
  Bottom w0.4: v1(45.92,94.22) R86.2
Net-(C117-Pad1): length 2.3
  Top w0.127: 65.2,49.04 R77.2
  Top w0.25: R78.2 R77.2 ; C117.1 65.2,49.04
Net-(C117-Pad2): length 1
  Top w0.25: C117.2 R87.1
